# EAGLE board ControlModule-pan2 (EAGLE 7.2.0), part 2 of 9
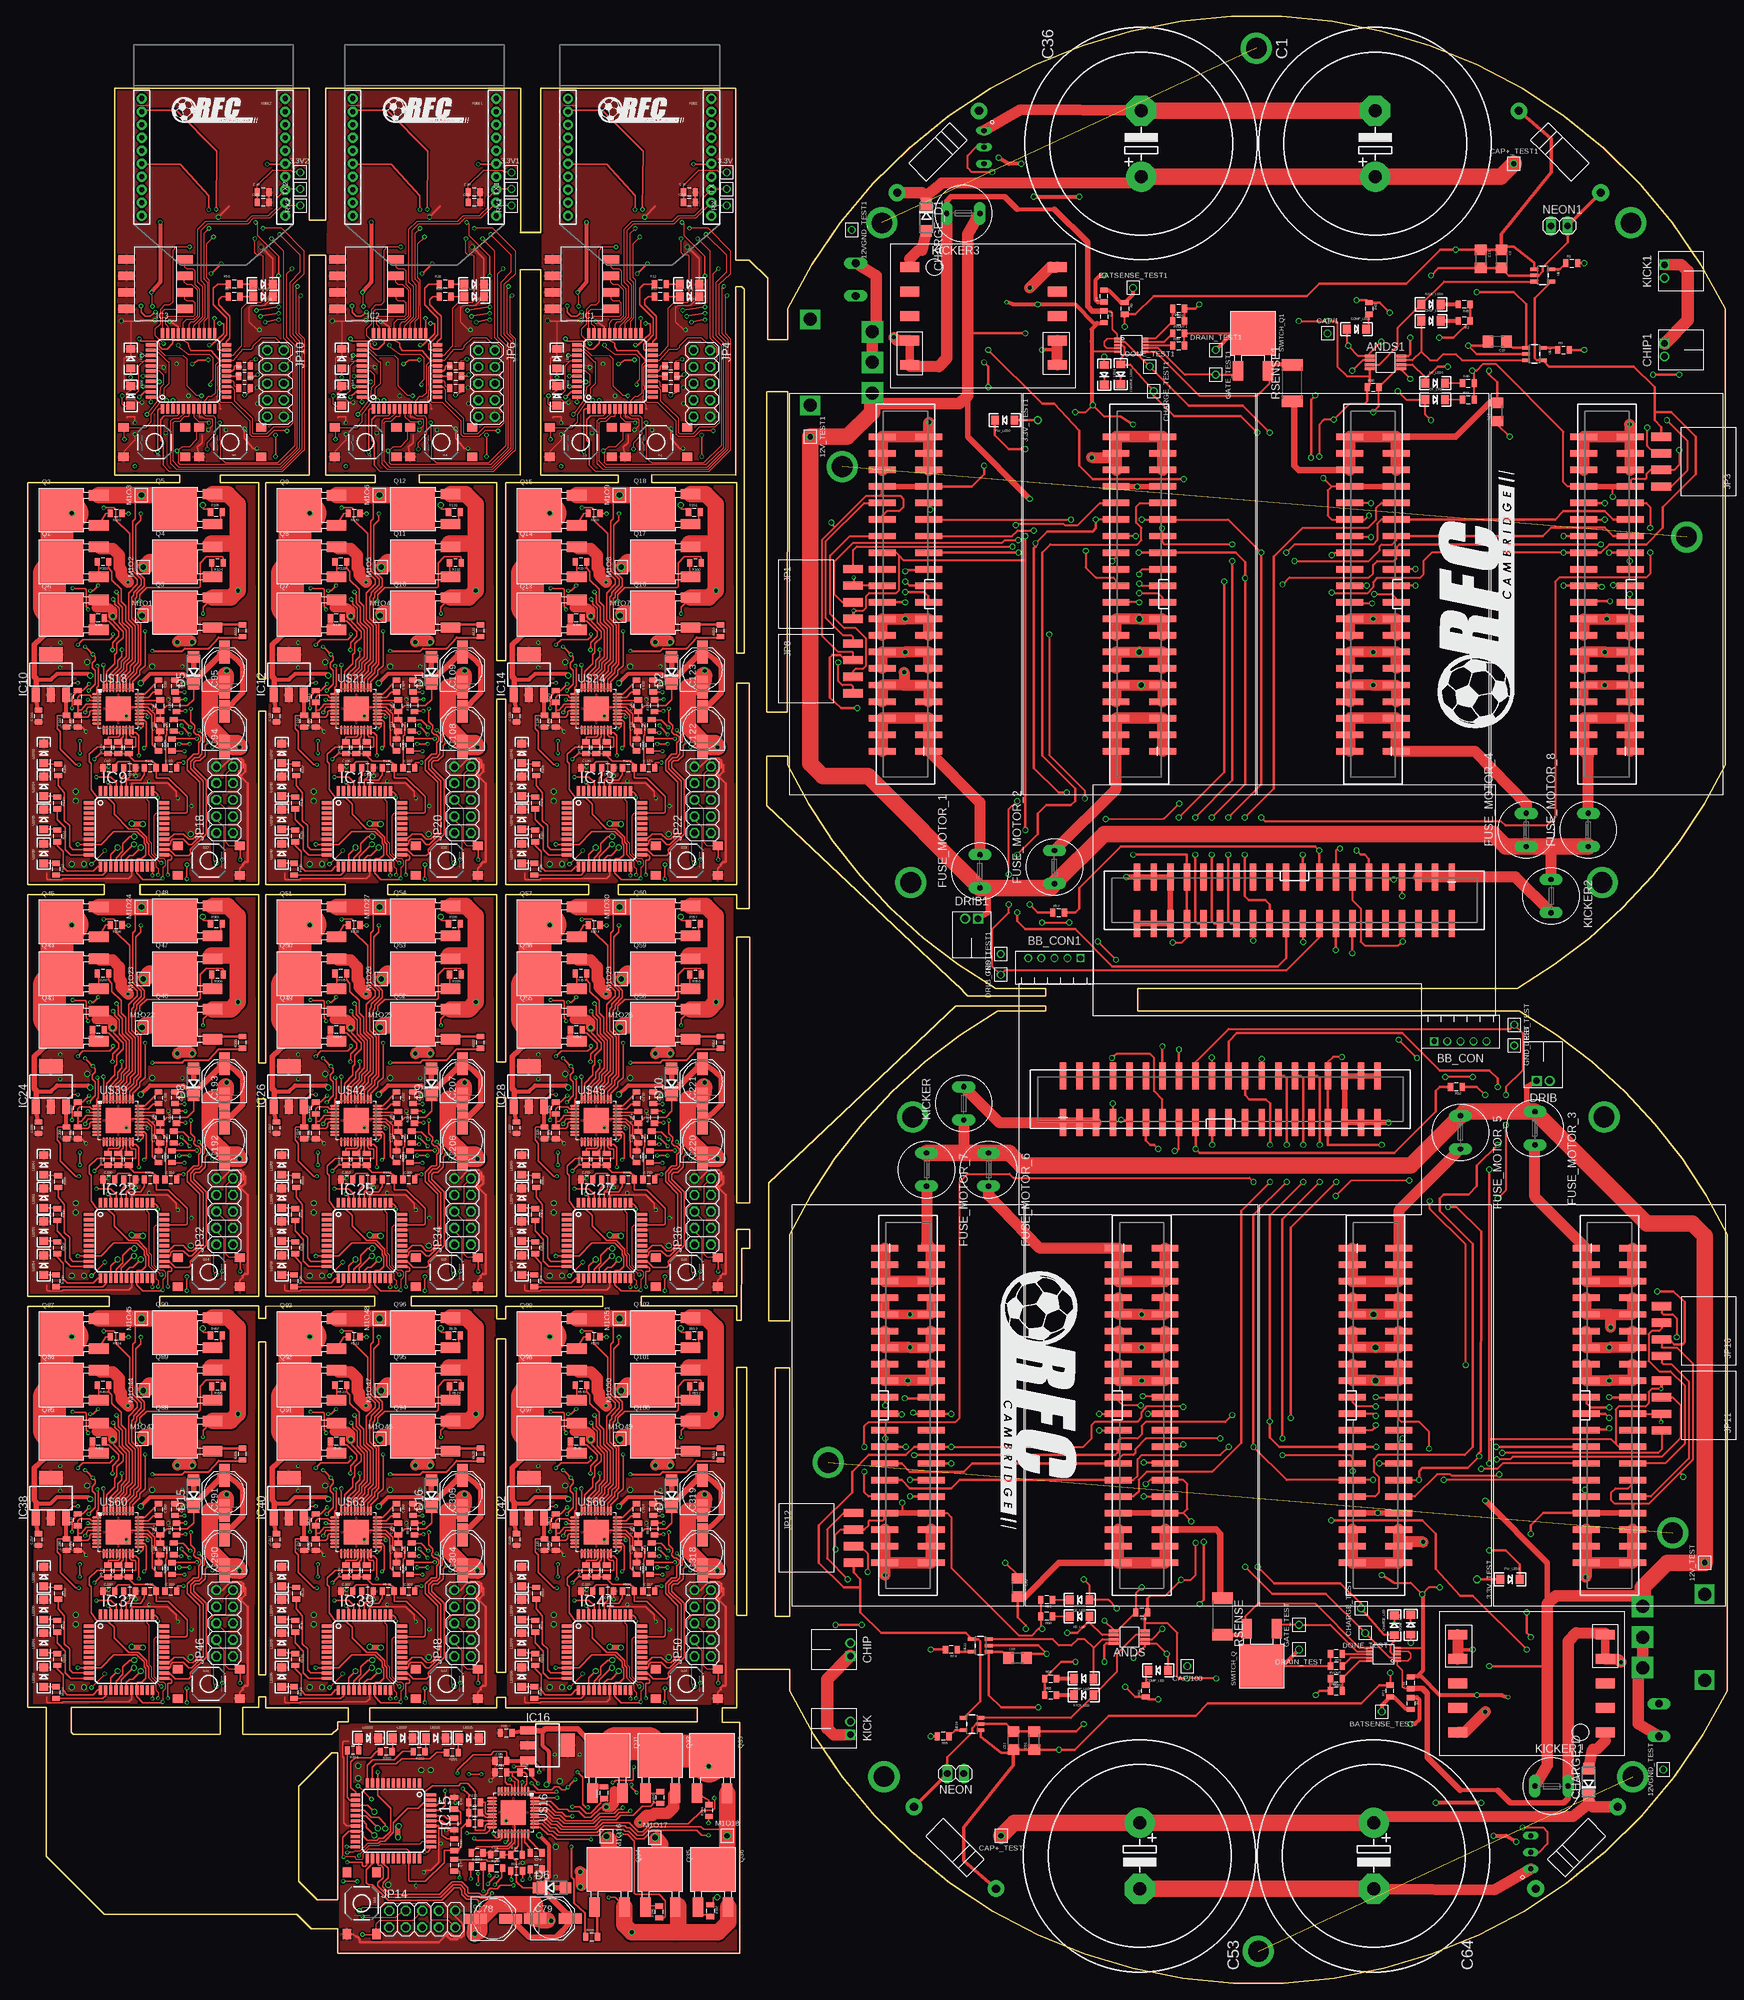
[diagram p0: board, top side]
## Library data of the parts
3.3REG 3.3REG1-3.3REG4 3.3V 3.3V1 3.3V2 3.3V_TEST 3.3V_TEST1 12V_TEST 12V_TEST1 12VGND_TEST 12VGND_TEST1 ANDS ANDS1 BATCLAMP1 BATCLAMP2 BATSENSE_TEST BATSENSE_TEST1 BB_CON BB_CON1 CAP+_TEST CAP+_TEST1 CAP/1 CAP/100 CAP_COMP CAP_COMP1 CHARGE_D CHARGE_D1 CHARGE_TEST CHARGE_TEST1 CHIP CHIP1 CHIP_FLY CHIP_FLY1 CLAMP1-CLAMP4 D1 D2 D5 D6 D8-D10 D15-D17 DONE_TEST DONE_TEST1 DRAIN_TEST DRAIN_TEST1 DRIB DRIB1 DRIB_TEST DRIB_TEST1 DRIB_TRAN DRIB_TRAN1 GATE_TEST GATE_TEST1 GND_TEST GND_TEST1 KICK KICK1 KICK_FLY KICK_FLY1 KICK_Q KICK_Q1-KICK_Q3 M1O1-M1O9 M1O16-M1O18 M1O22-M1O30 M1O43-M1O51 ON/OFF ON/OFF1 RX RX1 RX2 SWITCH_Q SWITCH_Q1 TX TX1 TX2 U$2 U$4 U$6 U$12-U$14 U$19 U$22 U$25-U$27 U$29 U$31 U$33 U$40 U$43 U$46 U$48-U$51 U$53 U$61 U$64 U$67 = gen3
BATT BATT1 = con-wago-500; MPN: 237-102; OC_FARNELL: unknown; OC_NEWARK: 70K9898
C1 C36 C53 C64 = rcl
C2-C35 C37-C52 C54-C63 C65-C67 C75 C76 C80 C81 C85 C86 C91 C92 C96 C97 C101 C102 C105 C106 C110 C111 C115 C116 C119 C120 C124 C125 C129 C130 C189 C190 C194 C195 C199 C200 C203 C204 C208 C209 C213 C214 C217 C218 C222 C223 C227 C228 C287 C288 C292 C293 C297 C298 C301 C302 C306 C307 C311 C312 C315 C316 C320 C321 C325 C326 = SparkFun-Capacitors
C73 C74 C77 C82-C84 C89 C90 C93 C98-C100 C103 C104 C107 C112-C114 C117 C118 C121 C126-C128 C187 C188 C191 C196-C198 C201 C202 C205 C210-C212 C215 C216 C219 C224-C226 C285 C286 C289 C294-C296 C299 C300 C303 C308-C310 C313 C314 C317 C322-C324 R2-R8 R10-R13 R16 R17 R21-R29 R33-R57 R61-R64 R66-R68 R71-R73 R75-R92 R97-R99 R108-R112 R117 R121 R125-R127 R136-R140 R145 R149 R153-R155 R164-R168 R173 R177 R189-R191 R200-R204 R209 R213 R293-R295 R304-R308 R313 R317 R321-R323 R332-R336 R341 R345 R349-R351 R360-R364 R369 R373 R489-R491 R500-R504 R509 R513 R517-R519 R528-R532 R537 R541 R545-R547 R556-R560 R565 R569 RBG RBG1 RSENSE RSENSE1 RVOUT RVOUT1 = SparkFun-Passives
C78 C79 C94 C95 C108 C109 C122 C123 C192 C193 C206 C207 C220 C221 C290 C291 C304 C305 C318 C319 = gen3; PROD_ID: CAP-10547
CAP_SENSE_BUF CAP_SENSE_BUF1 = SparkFun-AnalogIC; PROD_ID: IC-11991
CE_LED CE_LED1 CHARGE_LED CHARGE_LED1 CHIP_LED CHIP_LED1 COMP_LED COMP_LED1 DONE_LED DONE_LED1 KE_LED KE_LED1 KICK_LED KICK_LED1 LED1-LED12 LED25-LED28 LED33-LED44 LED61-LED72 LED89-LED100 PW_LED1 PW_LED2 = SparkFun-LED
CHARGE_U CHARGE_U1 U$1 U$7 U$32 U$34 = kickerchips
COM_BOARD COM_BOARD1 JP1-JP3 JP5 JP7-JP9 JP11-JP13 JP15-JP17 JP19 JP21 JP31 JP33 JP35 JP45 JP47 JP49 MOTOR1-MOTOR8 = SparkFun-Connectors
FUSE_MOTOR_1-FUSE_MOTOR_8 KICKER KICKER1-KICKER3 = fuse; OC_FARNELL: unknown; OC_NEWARK: unknown
IC1-IC3 IC9 IC11 IC13 IC15 IC23 IC25 IC27 IC37 IC39 IC41 = atmel; OC_FARNELL: unknown; OC_NEWARK: unknown
IC10 IC12 IC14 IC16 IC24 IC26 IC28 IC38 IC40 IC42 = linear-technology; MPN: LT1129CST-5#PBF; OC_FARNELL: 1663375; OC_NEWARK: 57M2069
JP4 JP6 JP10 JP14 JP18 JP20 JP22 JP32 JP34 JP36 JP46 JP48 JP50 NEON NEON1 = pinhead
Q1-Q18 Q31-Q36 Q43-Q60 Q85-Q102 U$8-U$11 U$28 U$35-U$37 U$47 U$52 = rfc
R1 R9 R14 R15 R18-R20 R30-R32 R58-R60 R65 R69 R70 R74 R100-R107 R113-R116 R118-R120 R122 R123 R128-R135 R141-R144 R146-R148 R150 R151 R156-R163 R169-R172 R174-R176 R178 R179 R192-R199 R205-R208 R210-R212 R214 R215 R296-R303 R309-R312 R314-R316 R318 R319 R324-R331 R337-R340 R342-R344 R346 R347 R352-R359 R365-R368 R370-R372 R374 R375 R492-R499 R505-R508 R510-R512 R514 R515 R520-R527 R533-R536 R538-R540 R542 R543 R548-R555 R561-R564 R566-R568 R570 R571 = SparkFun-Resistors
R124 R152 R180 R216 R320 R348 R376 R516 R544 R572 = resistor
S1-S6 S11 S17-S19 S24-S26 S31-S33 = SparkFun-Retired; PROD_ID: SWCH-08247
U$3 U$5 U$30 = SparkFun-Electromechanical; PROD_ID: SWCH-12418
U$15 U$17 U$20 U$23 U$38 U$41 U$44 U$59 U$62 U$65 = SparkFun-Sensors; PROD_ID: IC-08917
U$16 U$18 U$21 U$24 U$39 U$42 U$45 U$60 U$63 U$66 = texas2
XBEE XBEE1 XBEE2 = SparkFun-RF

## Nets
3.3V: 3.3REG3.SOURCE 3.3V_TEST1.P$1 ANDS1.P$8 C2.1 C11.1 C12.1 C35.1 C38.1 C39.1 CAP_COMP1.5 CAP_SENSE_BUF1.5 CLAMP3.C JP1.4 JP3.4 JP7.4 JP8.4 MOTOR5.26 MOTOR6.26 MOTOR7.26 MOTOR8.26 PW_LED2.A R13.1 R38.1 R52.1 U$1.4 U$7.4
3.3V1: 3.3REG.SOURCE 3.3V.P$1 C8.1 C9.1 C14.2 C15.2 C16.1 C17.1 C22.1 IC1.9 IC1.19 IC1.31 JP4.4 R5.2 R22.2 XBEE.1
3.3V2: 3.3REG1.SOURCE 3.3V1.P$1 C23.1 C24.1 C25.2 C26.2 C27.1 C28.1 C33.1 IC2.9 IC2.19 IC2.31 JP6.4 R25.2 R34.2 XBEE1.1
3.3V3: 3.3REG2.SOURCE 3.3V2.P$1 C40.1 C41.1 C42.2 C43.2 C44.1 C45.1 C50.1 IC3.9 IC3.19 IC3.31 JP10.4 R53.2 R62.2 XBEE2.1
3.3V4: 3.3REG4.SOURCE 3.3V_TEST.P$1 ANDS.P$8 C51.1 C52.1 C54.1 C63.1 C66.1 C67.1 CAP_COMP.5 CAP_SENSE_BUF.5 CLAMP1.C JP11.4 JP12.4 JP15.4 JP16.4 MOTOR1.26 MOTOR2.26 MOTOR3.26 MOTOR4.26 PW_LED1.A R75.1 R78.1 R92.1 U$32.4 U$34.4
3.3V6: C80.1 C81.1 C86.2 IC15.9 IC15.19 IC15.31 IC16.3 JP13.26 JP14.4 R200.2 R205.1 R209.2 R210.1 R211.1 U$15.1
3.3V8: C96.1 C97.1 C102.2 IC9.9 IC9.19 IC9.31 IC10.3 JP17.26 JP18.4 R108.2 R113.1 R117.2 R118.1 R119.1 U$17.1
3.3V9: C110.1 C111.1 C116.2 IC11.9 IC11.19 IC11.31 IC12.3 JP19.26 JP20.4 R136.2 R141.1 R145.2 R146.1 R147.1 U$20.1
3.3V10: C124.1 C125.1 C130.2 IC13.9 IC13.19 IC13.31 IC14.3 JP21.26 JP22.4 R164.2 R169.1 R173.2 R174.1 R175.1 U$23.1
3.3V15: C194.1 C195.1 C200.2 IC23.9 IC23.19 IC23.31 IC24.3 JP31.26 JP32.4 R304.2 R309.1 R313.2 R314.1 R315.1 U$38.1
3.3V16: C208.1 C209.1 C214.2 IC25.9 IC25.19 IC25.31 IC26.3 JP33.26 JP34.4 R332.2 R337.1 R341.2 R342.1 R343.1 U$41.1
3.3V17: C222.1 C223.1 C228.2 IC27.9 IC27.19 IC27.31 IC28.3 JP35.26 JP36.4 R360.2 R365.1 R369.2 R370.1 R371.1 U$44.1
3.3V22: C292.1 C293.1 C298.2 IC37.9 IC37.19 IC37.31 IC38.3 JP45.26 JP46.4 R500.2 R505.1 R509.2 R510.1 R511.1 U$59.1
3.3V23: C306.1 C307.1 C312.2 IC39.9 IC39.19 IC39.31 IC40.3 JP47.26 JP48.4 R528.2 R533.1 R537.2 R538.1 R539.1 U$62.1
3.3V24: C320.1 C321.1 C326.2 IC41.9 IC41.19 IC41.31 IC42.3 JP49.26 JP50.4 R556.2 R561.1 R565.2 R566.1 R567.1 U$65.1
5V: C99.2 JP17.23 R114.2 R115.2 R116.2 R123.2 U$18.24
5V1: C113.2 JP19.23 R142.2 R143.2 R144.2 R151.2 U$21.24
5V2: C127.2 JP21.23 R170.2 R171.2 R172.2 R179.2 U$24.24
5V5: C83.2 JP13.23 R206.2 R207.2 R208.2 R215.2 U$16.24
5V7: C197.2 JP31.23 R310.2 R311.2 R312.2 R319.2 U$39.24
5V8: C211.2 JP33.23 R338.2 R339.2 R340.2 R347.2 U$42.24
5V9: C225.2 JP35.23 R366.2 R367.2 R368.2 R375.2 U$45.24
5V14: C295.2 JP45.23 R506.2 R507.2 R508.2 R515.2 U$60.24
5V15: C309.2 JP47.23 R534.2 R535.2 R536.2 R543.2 U$63.24
5V16: C323.2 JP49.23 R562.2 R563.2 R564.2 R571.2 U$66.24
12V: 3.3REG3.GATE 12V_TEST1.P$1 C5.1 C13.1 C34.1 C37.1 DRIB1.1 FUSE_MOTOR_1.1 FUSE_MOTOR_2.1 FUSE_MOTOR_4.1 FUSE_MOTOR_8.1 KICKER2.1 KICKER3.1 ON/OFF1.IN2 R6.2 R50.1 U$1.1 U$7.1 U$28.-
12V1: 3.3REG.GATE C19.1 C20.1 C21.1 JP2.1 JP2.2 JP2.3 JP2.4 JP2.5 JP2.6 R23.2
12V2: 3.3REG1.GATE C30.1 C31.1 C32.1 JP5.1 JP5.2 JP5.3 JP5.4 JP5.5 JP5.6 R35.2
12V3: 3.3REG2.GATE C47.1 C48.1 C49.1 JP9.1 JP9.2 JP9.3 JP9.4 JP9.5 JP9.6 R63.2
12V4: 3.3REG4.GATE 12V_TEST.P$1 C57.1 C61.1 C62.1 C65.1 DRIB.1 FUSE_MOTOR_3.1 FUSE_MOTOR_5.1 FUSE_MOTOR_6.1 FUSE_MOTOR_7.1 KICKER1.1 KICKER.1 ON/OFF.IN2 R71.2 R90.1 U$32.1 U$34.1 U$52.-
12V6: C77.1 C78.+ C79.+ C82.1 C84.2 C85.2 D6.C IC16.1 JP13.1 JP13.2 JP13.3 JP13.4 JP13.5 JP13.6 Q31.DRAIN Q32.DRAIN Q33.DRAIN U$16.27
12V8: C93.1 C94.+ C95.+ C98.1 C100.2 C101.2 D5.C IC10.1 JP17.1 JP17.2 JP17.3 JP17.4 JP17.5 JP17.6 Q1.DRAIN Q2.DRAIN Q6.DRAIN U$18.27
12V9: C107.1 C108.+ C109.+ C112.1 C114.2 C115.2 D1.C IC12.1 JP19.1 JP19.2 JP19.3 JP19.4 JP19.5 JP19.6 Q7.DRAIN Q8.DRAIN Q9.DRAIN U$21.27
12V10: C121.1 C122.+ C123.+ C126.1 C128.2 C129.2 D2.C IC14.1 JP21.1 JP21.2 JP21.3 JP21.4 JP21.5 JP21.6 Q13.DRAIN Q14.DRAIN Q15.DRAIN U$24.27
12V15: C191.1 C192.+ C193.+ C196.1 C198.2 C199.2 D8.C IC24.1 JP31.1 JP31.2 JP31.3 JP31.4 JP31.5 JP31.6 Q43.DRAIN Q44.DRAIN Q45.DRAIN U$39.27
12V16: C205.1 C206.+ C207.+ C210.1 C212.2 C213.2 D9.C IC26.1 JP33.1 JP33.2 JP33.3 JP33.4 JP33.5 JP33.6 Q49.DRAIN Q50.DRAIN Q51.DRAIN U$42.27
12V17: C219.1 C220.+ C221.+ C224.1 C226.2 C227.2 D10.C IC28.1 JP35.1 JP35.2 JP35.3 JP35.4 JP35.5 JP35.6 Q55.DRAIN Q56.DRAIN Q57.DRAIN U$45.27
12V22: C289.1 C290.+ C291.+ C294.1 C296.2 C297.2 D15.C IC38.1 JP45.1 JP45.2 JP45.3 JP45.4 JP45.5 JP45.6 Q85.DRAIN Q86.DRAIN Q87.DRAIN U$60.27
12V23: C303.1 C304.+ C305.+ C308.1 C310.2 C311.2 D16.C IC40.1 JP47.1 JP47.2 JP47.3 JP47.4 JP47.5 JP47.6 Q91.DRAIN Q92.DRAIN Q93.DRAIN U$63.27
12V24: C317.1 C318.+ C319.+ C322.1 C324.2 C325.2 D17.C IC42.1 JP49.1 JP49.2 JP49.3 JP49.4 JP49.5 JP49.6 Q97.DRAIN Q98.DRAIN Q99.DRAIN U$66.27
12V-KICKER: C55.1 C58.1 C59.1 C60.1 CHARGE_U.P$1 CHARGE_U.P$4 KICKER1.2 U$33.P$4 U$33.P$5
12V-KICKER1: C3.1 C6.1 C7.1 C10.1 CHARGE_U1.P$1 CHARGE_U1.P$4 KICKER3.2 U$2.P$4 U$2.P$5
12VGND: 3.3REG3.DRAIN 12VGND_TEST1.P$1 BATT1.2 C1.- C5.2 C6.2 C7.2 C10.2 C11.2 C13.2 C34.2 C36.- C37.2 C38.2 C39.2 COM_BOARD1.35 COM_BOARD1.36 COM_BOARD1.37 COM_BOARD1.38 COM_BOARD1.39 COM_BOARD1.40 DRIB_TRAN1.SOURCE KICK_Q2.SOURCE KICK_Q3.SOURCE MOTOR5.35 MOTOR5.36 MOTOR5.37 MOTOR5.38 MOTOR5.39 MOTOR5.40 MOTOR6.35 MOTOR6.36 MOTOR6.37 MOTOR6.38 MOTOR6.39 MOTOR6.40 MOTOR7.35 MOTOR7.36 MOTOR7.37 MOTOR7.38 MOTOR7.39 MOTOR7.40 MOTOR8.35 MOTOR8.36 MOTOR8.37 MOTOR8.38 MOTOR8.39 MOTOR8.40 NEON1.2 R15.1 R47.2 R49.2 RSENSE1.1 U$1.2 U$2.P$10 U$7.2 U$9.LEFT U$10.3 U$28.+ U$29.1
12VGND1: 3.3REG.DRAIN C19.2 C20.2 C21.2 JP2.35 JP2.36 JP2.37 JP2.38 JP2.39 JP2.40 U$4.1
12VGND2: 3.3REG1.DRAIN C30.2 C31.2 C32.2 JP5.35 JP5.36 JP5.37 JP5.38 JP5.39 JP5.40 U$6.1
12VGND3: 3.3REG2.DRAIN C47.2 C48.2 C49.2 JP9.35 JP9.36 JP9.37 JP9.38 JP9.39 JP9.40 U$31.1
12VGND4: 3.3REG4.DRAIN 12VGND_TEST.P$1 BATT.2 C51.2 C53.- C57.2 C58.2 C59.2 C60.2 C61.2 C62.2 C64.- C65.2 C66.2 C67.2 COM_BOARD.35 COM_BOARD.36 COM_BOARD.37 COM_BOARD.38 COM_BOARD.39 COM_BOARD.40 DRIB_TRAN.SOURCE KICK_Q1.SOURCE KICK_Q.SOURCE MOTOR1.35 MOTOR1.36 MOTOR1.37 MOTOR1.38 MOTOR1.39 MOTOR1.40 MOTOR2.35 MOTOR2.36 MOTOR2.37 MOTOR2.38 MOTOR2.39 MOTOR2.40 MOTOR3.35 MOTOR3.36 MOTOR3.37 MOTOR3.38 MOTOR3.39 MOTOR3.40 MOTOR4.35 MOTOR4.36 MOTOR4.37 MOTOR4.38 MOTOR4.39 MOTOR4.40 NEON.2 R70.1 R87.2 R89.2 RSENSE.1 U$32.2 U$33.P$10 U$34.2 U$36.LEFT U$37.3 U$52.+ U$53.1
12VGND6: C77.2 C78.- C79.- D6.A JP13.35 JP13.36 JP13.37 JP13.38 JP13.39 JP13.40 R216.1 U$26.1
12VGND8: C93.2 C94.- C95.- D5.A JP17.35 JP17.36 JP17.37 JP17.38 JP17.39 JP17.40 R124.1 U$19.1
12VGND9: C107.2 C108.- C109.- D1.A JP19.35 JP19.36 JP19.37 JP19.38 JP19.39 JP19.40 R152.1 U$22.1
12VGND10: C121.2 C122.- C123.- D2.A JP21.35 JP21.36 JP21.37 JP21.38 JP21.39 JP21.40 R180.1 U$25.1
12VGND15: C191.2 C192.- C193.- D8.A JP31.35 JP31.36 JP31.37 JP31.38 JP31.39 JP31.40 R320.1 U$40.1
12VGND16: C205.2 C206.- C207.- D9.A JP33.35 JP33.36 JP33.37 JP33.38 JP33.39 JP33.40 R348.1 U$43.1
12VGND17: C219.2 C220.- C221.- D10.A JP35.35 JP35.36 JP35.37 JP35.38 JP35.39 JP35.40 R376.1 U$46.1
12VGND22: C289.2 C290.- C291.- D15.A JP45.35 JP45.36 JP45.37 JP45.38 JP45.39 JP45.40 R516.1 U$61.1
12VGND23: C303.2 C304.- C305.- D16.A JP47.35 JP47.36 JP47.37 JP47.38 JP47.39 JP47.40 R544.1 U$64.1
12VGND24: C317.2 C318.- C319.- D17.A JP49.35 JP49.36 JP49.37 JP49.38 JP49.39 JP49.40 R572.1 U$67.1
AND_CHIP: ANDS.P$3 CHIP_LED.A U$32.3
AND_CHIP1: ANDS1.P$3 CHIP_LED1.A U$1.3
AND_KICK: ANDS.P$7 KICK_LED.A U$34.3
AND_KICK1: ANDS1.P$7 KICK_LED1.A U$7.3
AVCC: C18.2 IC1.39 R5.1
AVCC1: C29.2 IC2.39 R25.1
AVCC2: C46.2 IC3.39 R53.1
AVCC6: C76.2 IC15.39 R200.1
AVCC8: C92.2 IC9.39 R108.1
AVCC9: C106.2 IC11.39 R136.1
AVCC10: C120.2 IC13.39 R164.1
AVCC15: C190.2 IC23.39 R304.1
AVCC16: C204.2 IC25.39 R332.1
AVCC17: C218.2 IC27.39 R360.1
AVCC22: C288.2 IC37.39 R500.1
AVCC23: C302.2 IC39.39 R528.1
AVCC24: C316.2 IC41.39 R556.1
BAT+: BATT.1 ON/OFF.COM ON/OFF.IN1
BAT+1: BATT1.1 ON/OFF1.COM ON/OFF1.IN1
BATSENSE: BATCLAMP1.C BATSENSE_TEST1.P$1 R6.1 R7.2
BATSENSE1: IC1.41 R23.1 R24.2
BATSENSE2: IC2.41 R35.1 R36.2
BATSENSE3: IC3.41 R63.1 R64.2
BATSENSE4: BATCLAMP2.C BATSENSE_TEST.P$1 R71.1 R72.2
BB_IN: BB_CON1.2 COM_BOARD1.7
BB_IN1: IC1.40 JP2.7
BB_IN2: IC2.40 JP5.7
BB_IN3: IC3.40 JP9.7
BB_IN4: BB_CON.2 COM_BOARD.7
BB_OUT: COM_BOARD1.9 R8.1
BB_OUT1: IC1.4 JP2.9
BB_OUT2: IC2.4 JP5.9
BB_OUT3: IC3.4 JP9.9
BB_OUT4: COM_BOARD.9 R73.1
BID0: IC1.28 U$3.1
BID1: IC1.29 U$3.2
BID2: IC1.32 U$3.3
BID3: IC1.33 U$3.4
BID4: IC2.28 U$5.1
BID5: IC2.32 U$5.3
BID6: IC2.29 U$5.2
BID7: IC2.33 U$5.4
BID8: IC3.28 U$30.1
BID9: IC3.32 U$30.3
BID10: IC3.29 U$30.2
BID11: IC3.33 U$30.4
BREN: IC9.24 R107.2
BREN1: IC11.24 R135.2
BREN2: IC13.24 R163.2
BREN5: IC15.24 R199.2
BREN7: IC23.24 R303.2
BREN8: IC25.24 R331.2
BREN9: IC27.24 R359.2
BREN14: IC37.24 R499.2
BREN15: IC39.24 R527.2
BREN16: IC41.24 R555.2
CAP+: C53.+ C64.+ CAP+_TEST.P$1 CHARGE_D.C CHIP.1 CHIP_FLY.CATHODE KICK.1 KICK_FLY.CATHODE R69.2 R77.2 U$47.+
CAP+1: C1.+ C36.+ CAP+_TEST1.P$1 CHARGE_D1.C CHIP1.1 CHIP_FLY1.CATHODE KICK1.1 KICK_FLY1.CATHODE R14.2 R37.2 U$11.+
CHARGE: CHARGE_LED1.A CHARGE_TEST1.P$1 CHARGE_U1.P$3 COM_BOARD1.19
CHARGE1: IC1.7 JP2.19
CHARGE2: IC2.7 JP5.19
CHARGE3: IC3.7 JP9.19
CHARGE4: CHARGE_LED.A CHARGE_TEST.P$1 CHARGE_U.P$3 COM_BOARD.19
CHARGE_DONE: CHARGE_U1.P$2 COM_BOARD1.17 DONE_LED1.A DONE_TEST1.P$1 R52.2
CHARGE_DONE1: IC1.5 JP2.17
CHARGE_DONE2: IC2.5 JP5.17
CHARGE_DONE3: IC3.5 JP9.17
CHARGE_DONE4: CHARGE_U.P$2 COM_BOARD.17 DONE_LED.A DONE_TEST.P$1 R92.2
CHIP_ENABLE: ANDS1.P$6 CE_LED1.A COM_BOARD1.13
CHIP_ENABLE1: IC1.13 JP2.13
CHIP_ENABLE2: IC2.13 JP5.13
CHIP_ENABLE3: IC3.13 JP9.13
CHIP_ENABLE4: ANDS.P$6 CE_LED.A COM_BOARD.13
COMP_OUT: ANDS.P$1 ANDS.P$5 CAP_COMP.4 COMP_LED.A R78.2 R83.1
COMP_OUT1: ANDS1.P$1 ANDS1.P$5 CAP_COMP1.4 COMP_LED1.A R38.2 R43.1
CTS: IC1.24 XBEE.12
CTS1: IC2.24 XBEE1.12
CTS2: IC3.24 XBEE2.12
DATA: IC1.34 JP4.9
DATA1: IC2.34 JP6.9
DATA2: IC3.34 JP10.9
DATA6: IC15.34 JP14.9
DATA8: IC9.34 JP18.9
DATA9: IC11.34 JP20.9
DATA10: IC13.34 JP22.9
DATA15: IC23.34 JP32.9
DATA16: IC25.34 JP34.9
DATA17: IC27.34 JP36.9
DATA22: IC37.34 JP46.9
DATA23: IC39.34 JP48.9
DATA24: IC41.34 JP50.9
DIR: IC9.25 R106.2
DIR1: IC11.25 R134.2
DIR2: IC13.25 R162.2
DIR5: IC15.25 R198.2
DIR7: IC23.25 R302.2
DIR8: IC25.25 R330.2
DIR9: IC27.25 R358.2
DIR14: IC37.25 R498.2
DIR15: IC39.25 R526.2
DIR16: IC41.25 R554.2
DISCHARGE: COM_BOARD1.16 R51.1
DISCHARGE1: IC1.6 JP2.16
DISCHARGE2: IC2.6 JP5.16
DISCHARGE3: IC3.6 JP9.16
DISCHARGE4: COM_BOARD.16 R91.1
DIVCAP: CAP/1.P$1 CAP_SENSE_BUF1.1 CAP_SENSE_BUF1.4 COM_BOARD1.14 R44.2
DIVCAP1: IC1.42 JP2.14
DIVCAP2: IC2.42 JP5.14
DIVCAP3: IC3.42 JP9.14
DIVCAP4: CAP/100.P$1 CAP_SENSE_BUF.1 CAP_SENSE_BUF.4 COM_BOARD.14 R84.2
DRIB: COM_BOARD1.18 DRIB_TEST1.P$1 DRIB_TRAN1.GATE
DRIB1: IC1.43 JP2.18
DRIB2: IC2.43 JP5.18
DRIB3: IC3.43 JP9.18
DRIB4: COM_BOARD.18 DRIB_TEST.P$1 DRIB_TRAN.GATE
ENABLE: IC9.26 R120.2
ENABLE1: IC11.26 R148.2
ENABLE2: IC13.26 R176.2
ENABLE5: IC15.26 R212.2
ENABLE7: IC23.26 R316.2
ENABLE8: IC25.26 R344.2
ENABLE9: IC27.26 R372.2
ENABLE14: IC37.26 R512.2
ENABLE15: IC39.26 R540.2
ENABLE16: IC41.26 R568.2
GLED1: IC1.36 R10.2
GLED2: IC1.21 R12.2
GLED3: IC2.36 R26.2
GLED4: IC2.21 R28.2
GLED5: IC3.36 R54.2
GLED6: IC3.21 R56.2
GLED17: IC9.10 R109.2
GLED18: IC9.11 R110.2
GLED19: IC9.12 R111.2
GLED20: IC9.13 R112.2
GLED21: IC11.10 R137.2
GLED22: IC11.11 R138.2
GLED23: IC11.12 R139.2
GLED24: IC11.13 R140.2
GLED25: IC13.10 R165.2
GLED26: IC13.11 R166.2
GLED27: IC13.12 R167.2
GLED28: IC13.13 R168.2
GLED29: IC15.10 R201.2
GLED30: IC15.11 R202.2
GLED31: IC15.12 R203.2
GLED32: IC15.13 R204.2
GLED45: IC23.10 R305.2
GLED46: IC23.11 R306.2
GLED47: IC23.12 R307.2
GLED48: IC23.13 R308.2
GLED49: IC25.10 R333.2
GLED50: IC25.11 R334.2
GLED51: IC25.12 R335.2
GLED52: IC25.13 R336.2
GLED53: IC27.10 R361.2
GLED54: IC27.11 R362.2
GLED55: IC27.12 R363.2
GLED56: IC27.13 R364.2
GLED73: IC37.10 R501.2
GLED74: IC37.11 R502.2
GLED75: IC37.12 R503.2
GLED76: IC37.13 R504.2
GLED77: IC39.10 R529.2
GLED78: IC39.11 R530.2
GLED79: IC39.12 R531.2
GLED80: IC39.13 R532.2
GLED81: IC41.10 R557.2
GLED82: IC41.11 R558.2
GLED83: IC41.12 R559.2
GLED84: IC41.13 R560.2
GND: ANDS1.P$4 BATCLAMP1.A BB_CON1.3 BB_CON1.5 C2.2 C3.2 C4.2 C12.2 C35.2 CAP_COMP1.2 CAP_SENSE_BUF1.2 CHARGE_U1.P$5 CLAMP4.A COM_BOARD1.33 COM_BOARD1.34 GND_TEST1.P$1 JP1.2 JP3.2 JP7.2 JP8.2 MOTOR5.22 MOTOR5.30 MOTOR5.33 MOTOR5.34 MOTOR6.22 MOTOR6.30 MOTOR6.33 MOTOR6.34 MOTOR7.22 MOTOR7.30 MOTOR7.33 MOTOR7.34 MOTOR8.22 MOTOR8.30 MOTOR8.33 MOTOR8.34 R2.1 R3.2 R4.2 R7.1 R16.1 R40.2 R41.2 R42.1 R45.1 RBG1.1 U$10.2 U$12.5 U$13.5 U$14.5 U$27.5 U$29.2
GND1: C8.2 C9.2 C14.1 C15.1 C16.2 C17.2 C18.1 C22.2 IC1.8 IC1.18 IC1.30 IC1.38 JP2.33 JP2.34 JP4.10 LED1.C LED2.C LED3.C LED9.C R24.1 S1.2 S3.2 U$3.5 U$3.6 U$3.7 U$3.8 U$4.2 XBEE.10
GND2: C23.2 C24.2 C25.1 C26.1 C27.2 C28.2 C29.1 C33.2 IC2.8 IC2.18 IC2.30 IC2.38 JP5.33 JP5.34 JP6.10 LED4.C LED5.C LED6.C LED7.C R36.1 S2.2 S4.2 U$5.5 U$5.6 U$5.7 U$5.8 U$6.2 XBEE1.10
GND3: C40.2 C41.2 C42.1 C43.1 C44.2 C45.2 C46.1 C50.2 IC3.8 IC3.18 IC3.30 IC3.38 JP9.33 JP9.34 JP10.10 LED8.C LED10.C LED11.C LED12.C R64.1 S5.2 S6.2 U$30.5 U$30.6 U$30.7 U$30.8 U$31.2 XBEE2.10
GND4: ANDS.P$4 BATCLAMP2.A BB_CON.3 BB_CON.5 C52.2 C54.2 C55.2 C56.2 C63.2 CAP_COMP.2 CAP_SENSE_BUF.2 CHARGE_U.P$5 CLAMP2.A COM_BOARD.33 COM_BOARD.34 GND_TEST.P$1 JP11.2 JP12.2 JP15.2 JP16.2 MOTOR1.22 MOTOR1.30 MOTOR1.33 MOTOR1.34 MOTOR2.22 MOTOR2.30 MOTOR2.33 MOTOR2.34 MOTOR3.22 MOTOR3.30 MOTOR3.33 MOTOR3.34 MOTOR4.22 MOTOR4.30 MOTOR4.33 MOTOR4.34 R66.1 R67.2 R68.2 R72.1 R76.1 R80.2 R81.2 R82.1 R85.1 RBG.1 U$37.2 U$48.5 U$49.5 U$50.5 U$51.5 U$53.2
GND6: C73.1 C75.1 C76.1 C80.2 C81.2 C83.1 C84.1 C85.1 C86.1 IC15.8 IC15.18 IC15.30 IC15.38 IC16.2 IC16.4 JP13.22 JP13.30 JP13.33 JP13.34 JP14.10 LED25.C LED26.C LED27.C LED28.C R214.1 S11.4 U$15.3 U$16.26 U$16.P$3 U$26.2
GND8: C89.1 C91.1 C92.1 C96.2 C97.2 C99.1 C100.1 C101.1 C102.1 IC9.8 IC9.18 IC9.30 IC9.38 IC10.2 IC10.4 JP17.22 JP17.30 JP17.33 JP17.34 JP18.10 LED33.C LED34.C LED35.C LED36.C R122.1 S17.4 U$17.3 U$18.26 U$18.P$3 U$19.2
GND9: C103.1 C105.1 C106.1 C110.2 C111.2 C113.1 C114.1 C115.1 C116.1 IC11.8 IC11.18 IC11.30 IC11.38 IC12.2 IC12.4 JP19.22 JP19.30 JP19.33 JP19.34 JP20.10 LED37.C LED38.C LED39.C LED40.C R150.1 S18.4 U$20.3 U$21.26 U$21.P$3 U$22.2
GND10: C117.1 C119.1 C120.1 C124.2 C125.2 C127.1 C128.1 C129.1 C130.1 IC13.8 IC13.18 IC13.30 IC13.38 IC14.2 IC14.4 JP21.22 JP21.30 JP21.33 JP21.34 JP22.10 LED41.C LED42.C LED43.C LED44.C R178.1 S19.4 U$23.3 U$24.26 U$24.P$3 U$25.2
GND16: C187.1 C189.1 C190.1 C194.2 C195.2 C197.1 C198.1 C199.1 C200.1 IC23.8 IC23.18 IC23.30 IC23.38 IC24.2 IC24.4 JP31.22 JP31.30 JP31.33 JP31.34 JP32.10 LED61.C LED62.C LED63.C LED64.C R318.1 S24.4 U$38.3 U$39.26 U$39.P$3 U$40.2
GND17: C201.1 C203.1 C204.1 C208.2 C209.2 C211.1 C212.1 C213.1 C214.1 IC25.8 IC25.18 IC25.30 IC25.38 IC26.2 IC26.4 JP33.22 JP33.30 JP33.33 JP33.34 JP34.10 LED65.C LED66.C LED67.C LED68.C R346.1 S25.4 U$41.3 U$42.26 U$42.P$3 U$43.2
GND18: C215.1 C217.1 C218.1 C222.2 C223.2 C225.1 C226.1 C227.1 C228.1 IC27.8 IC27.18 IC27.30 IC27.38 IC28.2 IC28.4 JP35.22 JP35.30 JP35.33 JP35.34 JP36.10 LED69.C LED70.C LED71.C LED72.C R374.1 S26.4 U$44.3 U$45.26 U$45.P$3 U$46.2
GND23: C285.1 C287.1 C288.1 C292.2 C293.2 C295.1 C296.1 C297.1 C298.1 IC37.8 IC37.18 IC37.30 IC37.38 IC38.2 IC38.4 JP45.22 JP45.30 JP45.33 JP45.34 JP46.10 LED89.C LED90.C LED91.C LED92.C R514.1 S31.4 U$59.3 U$60.26 U$60.P$3 U$61.2
GND24: C299.1 C301.1 C302.1 C306.2 C307.2 C309.1 C310.1 C311.1 C312.1 IC39.8 IC39.18 IC39.30 IC39.38 IC40.2 IC40.4 JP47.22 JP47.30 JP47.33 JP47.34 JP48.10 LED93.C LED94.C LED95.C LED96.C R542.1 S32.4 U$62.3 U$63.26 U$63.P$3 U$64.2
GND25: C313.1 C315.1 C316.1 C320.2 C321.2 C323.1 C324.1 C325.1 C326.1 IC41.8 IC41.18 IC41.30 IC41.38 IC42.2 IC42.4 JP49.22 JP49.30 JP49.33 JP49.34 JP50.10 LED97.C LED98.C LED99.C LED100.C R570.1 S33.4 U$65.3 U$66.26 U$66.P$3 U$67.2
HYSTERESIS: CAP_COMP.1 R83.2 R84.1
HYSTERESIS1: CAP_COMP1.1 R43.2 R44.1
KICK_ENABLE: ANDS1.P$2 COM_BOARD1.11 KE_LED1.A
KICK_ENABLE1: IC1.14 JP2.11
KICK_ENABLE2: IC2.14 JP5.11
KICK_ENABLE3: IC3.14 JP9.11
KICK_ENABLE4: ANDS.P$2 COM_BOARD.11 KE_LED.A
KICK_REF: CAP_COMP1.3 COM_BOARD1.15
KICK_REF1: IC1.20 JP2.15
KICK_REF2: IC2.20 JP5.15
KICK_REF3: IC3.20 JP9.15
KICK_REF4: CAP_COMP.3 COM_BOARD.15
LOWCHIP: CHIP.2 CHIP_FLY.ANODE KICK_Q1.DRAIN
LOWCHIP1: CHIP1.2 CHIP_FLY1.ANODE KICK_Q3.DRAIN
LOWKICK: KICK.2 KICK_FLY.ANODE KICK_Q.DRAIN
LOWKICK1: KICK1.2 KICK_FLY1.ANODE KICK_Q2.DRAIN
M1H1: JP17.19 R115.1 U$18.5
M1H2: JP17.20 R116.1 U$18.3
M1H3: JP17.21 R114.1 U$18.1
M1H4: JP19.21 R142.1 U$21.1
M1H5: JP19.20 R144.1 U$21.3
M1H6: JP19.19 R143.1 U$21.5
M1H7: JP21.21 R170.1 U$24.1
M1H8: JP21.20 R172.1 U$24.3
M1H9: JP21.19 R171.1 U$24.5
M1H16: JP13.21 R206.1 U$16.1
M1H17: JP13.20 R208.1 U$16.3
M1H18: JP13.19 R207.1 U$16.5
M1H22: JP31.21 R310.1 U$39.1
M1H23: JP31.20 R312.1 U$39.3
M1H24: JP31.19 R311.1 U$39.5
M1H25: JP33.21 R338.1 U$42.1
M1H26: JP33.20 R340.1 U$42.3
M1H27: JP33.19 R339.1 U$42.5
M1H28: JP35.21 R366.1 U$45.1
M1H29: JP35.20 R368.1 U$45.3
M1H30: JP35.19 R367.1 U$45.5
M1H43: JP45.21 R506.1 U$60.1
M1H44: JP45.20 R508.1 U$60.3
M1H45: JP45.19 R507.1 U$60.5
M1H46: JP47.21 R534.1 U$63.1
M1H47: JP47.20 R536.1 U$63.3
M1H48: JP47.19 R535.1 U$63.5
M1H49: JP49.21 R562.1 U$66.1
M1H50: JP49.20 R564.1 U$66.3
M1H51: JP49.19 R563.1 U$66.5
M1O1: JP17.11 JP17.12 JP17.13 JP17.14 M1O1.P$1 Q3.DRAIN Q6.SOURCE U$18.39
M1O2: JP17.7 JP17.8 JP17.9 JP17.10 M1O2.P$1 Q1.SOURCE Q4.DRAIN U$18.36
M1O3: JP17.15 JP17.16 JP17.17 JP17.18 M1O3.P$1 Q2.SOURCE Q5.DRAIN U$18.33
M1O4: JP19.11 JP19.12 JP19.13 JP19.14 M1O4.P$1 Q7.SOURCE Q10.DRAIN U$21.39
M1O5: JP19.7 JP19.8 JP19.9 JP19.10 M1O5.P$1 Q8.SOURCE Q11.DRAIN U$21.36
M1O6: JP19.15 JP19.16 JP19.17 JP19.18 M1O6.P$1 Q9.SOURCE Q12.DRAIN U$21.33
M1O7: JP21.11 JP21.12 JP21.13 JP21.14 M1O7.P$1 Q13.SOURCE Q16.DRAIN U$24.39
M1O8: JP21.7 JP21.8 JP21.9 JP21.10 M1O8.P$1 Q14.SOURCE Q17.DRAIN U$24.36
M1O9: JP21.15 JP21.16 JP21.17 JP21.18 M1O9.P$1 Q15.SOURCE Q18.DRAIN U$24.33
M1O16: JP13.11 JP13.12 JP13.13 JP13.14 M1O16.P$1 Q31.SOURCE Q34.DRAIN U$16.39
M1O17: JP13.7 JP13.8 JP13.9 JP13.10 M1O17.P$1 Q32.SOURCE Q35.DRAIN U$16.36
M1O18: JP13.15 JP13.16 JP13.17 JP13.18 M1O18.P$1 Q33.SOURCE Q36.DRAIN U$16.33
M1O22: JP31.11 JP31.12 JP31.13 JP31.14 M1O22.P$1 Q43.SOURCE Q46.DRAIN U$39.39
M1O23: JP31.7 JP31.8 JP31.9 JP31.10 M1O23.P$1 Q44.SOURCE Q47.DRAIN U$39.36
M1O25: JP31.15 JP31.16 JP31.17 JP31.18 M1O24.P$1 Q45.SOURCE Q48.DRAIN U$39.33
M1O26: JP33.11 JP33.12 JP33.13 JP33.14 M1O25.P$1 Q49.SOURCE Q52.DRAIN U$42.39
M1O27: JP33.7 JP33.8 JP33.9 JP33.10 M1O26.P$1 Q50.SOURCE Q53.DRAIN U$42.36
M1O28: JP33.15 JP33.16 JP33.17 JP33.18 M1O27.P$1 Q51.SOURCE Q54.DRAIN U$42.33
M1O29: JP35.11 JP35.12 JP35.13 JP35.14 M1O28.P$1 Q55.SOURCE Q58.DRAIN U$45.39
M1O30: JP35.7 JP35.8 JP35.9 JP35.10 M1O29.P$1 Q56.SOURCE Q59.DRAIN U$45.36
M1O31: JP35.15 JP35.16 JP35.17 JP35.18 M1O30.P$1 Q57.SOURCE Q60.DRAIN U$45.33
M1O44: JP45.11 JP45.12 JP45.13 JP45.14 M1O43.P$1 Q85.SOURCE Q88.DRAIN U$60.39
M1O45: JP45.7 JP45.8 JP45.9 JP45.10 M1O44.P$1 Q86.SOURCE Q89.DRAIN U$60.36
M1O46: JP45.15 JP45.16 JP45.17 JP45.18 M1O45.P$1 Q87.SOURCE Q90.DRAIN U$60.33
M1O47: JP47.11 JP47.12 JP47.13 JP47.14 M1O46.P$1 Q91.SOURCE Q94.DRAIN U$63.39
M1O48: JP47.7 JP47.8 JP47.9 JP47.10 M1O47.P$1 Q92.SOURCE Q95.DRAIN U$63.36
M1O49: JP47.15 JP47.16 JP47.17 JP47.18 M1O48.P$1 Q93.SOURCE Q96.DRAIN U$63.33
M1O50: JP49.11 JP49.12 JP49.13 JP49.14 M1O49.P$1 Q97.SOURCE Q100.DRAIN U$66.39
M1O51: JP49.7 JP49.8 JP49.9 JP49.10 M1O50.P$1 Q98.SOURCE Q101.DRAIN U$66.36
M1O52: JP49.15 JP49.16 JP49.17 JP49.18 M1O51.P$1 Q99.SOURCE Q102.DRAIN U$66.33
M1QA: IC9.42 JP17.28
M1QA1: IC11.42 JP19.28
M1QA2: IC13.42 JP21.28
M1QA5: IC15.42 JP13.28
M1QA7: IC23.42 JP31.28
M1QA8: IC25.42 JP33.28
M1QA9: IC27.42 JP35.28
M1QA14: IC37.42 JP45.28
M1QA15: IC39.42 JP47.28
M1QA16: IC41.42 JP49.28
M1QA-1: JP16.3 MOTOR1.28
M1QA-2: JP11.3 MOTOR2.28
M1QA-3: JP12.3 MOTOR3.28
M1QA-4: JP15.3 MOTOR4.28
M1QA-5: JP7.3 MOTOR8.28
M1QA-6: JP3.3 MOTOR7.28
M1QA-7: JP1.3 MOTOR6.28
M1QA-8: JP8.3 MOTOR5.28
M1QB: IC9.41 JP17.32
M1QB1: IC11.41 JP19.32
M1QB2: IC13.41 JP21.32
M1QB5: IC15.41 JP13.32
M1QB7: IC23.41 JP31.32
M1QB8: IC25.41 JP33.32
M1QB9: IC27.41 JP35.32
M1QB14: IC37.41 JP45.32
M1QB15: IC39.41 JP47.32
M1QB16: IC41.41 JP49.32
M1QB-1: JP16.1 MOTOR1.32
M1QB-2: JP11.1 MOTOR2.32
M1QB-3: JP12.1 MOTOR3.32
M1QB-4: JP15.1 MOTOR4.32
M1QB-5: JP7.1 MOTOR8.32
M1QB-6: JP3.1 MOTOR7.32
M1QB-7: JP1.1 MOTOR6.32
M1QB-8: JP8.1 MOTOR5.32
MISO: COM_BOARD1.32 MOTOR5.27 MOTOR6.27 MOTOR7.27 MOTOR8.27
MISO1: IC1.16 R18.1
MISO2: IC2.16 R30.1
MISO3: IC3.16 R58.1
MISO4: COM_BOARD.32 MOTOR1.27 MOTOR2.27 MOTOR3.27 MOTOR4.27
MISO6: IC15.16 R190.1
MISO8: IC9.16 R98.1
MISO9: IC11.16 R126.1
MISO10: IC13.16 R154.1
MISO15: IC23.16 R294.1
MISO16: IC25.16 R322.1
MISO17: IC27.16 R350.1
MISO22: IC37.16 R490.1
MISO23: IC39.16 R518.1
MISO24: IC41.16 R546.1
MOSI: COM_BOARD1.30 MOTOR5.25 MOTOR6.25 MOTOR7.25 MOTOR8.25
MOSI1: IC1.15 R19.1
MOSI2: IC2.15 R31.1
MOSI3: IC3.15 R59.1
MOSI4: COM_BOARD.30 MOTOR1.25 MOTOR2.25 MOTOR3.25 MOTOR4.25
MOSI6: IC15.15 R189.1
MOSI8: IC9.15 R97.1
MOSI9: IC11.15 R125.1
MOSI10: IC13.15 R153.1
MOSI15: IC23.15 R293.1
MOSI16: IC25.15 R321.1
MOSI17: IC27.15 R349.1
MOSI22: IC37.15 R489.1
MOSI23: IC39.15 R517.1